# Altium PCB BEAGLEPLAYV020_220915.brd.PcbDoc (part 4 of 12) (continued)
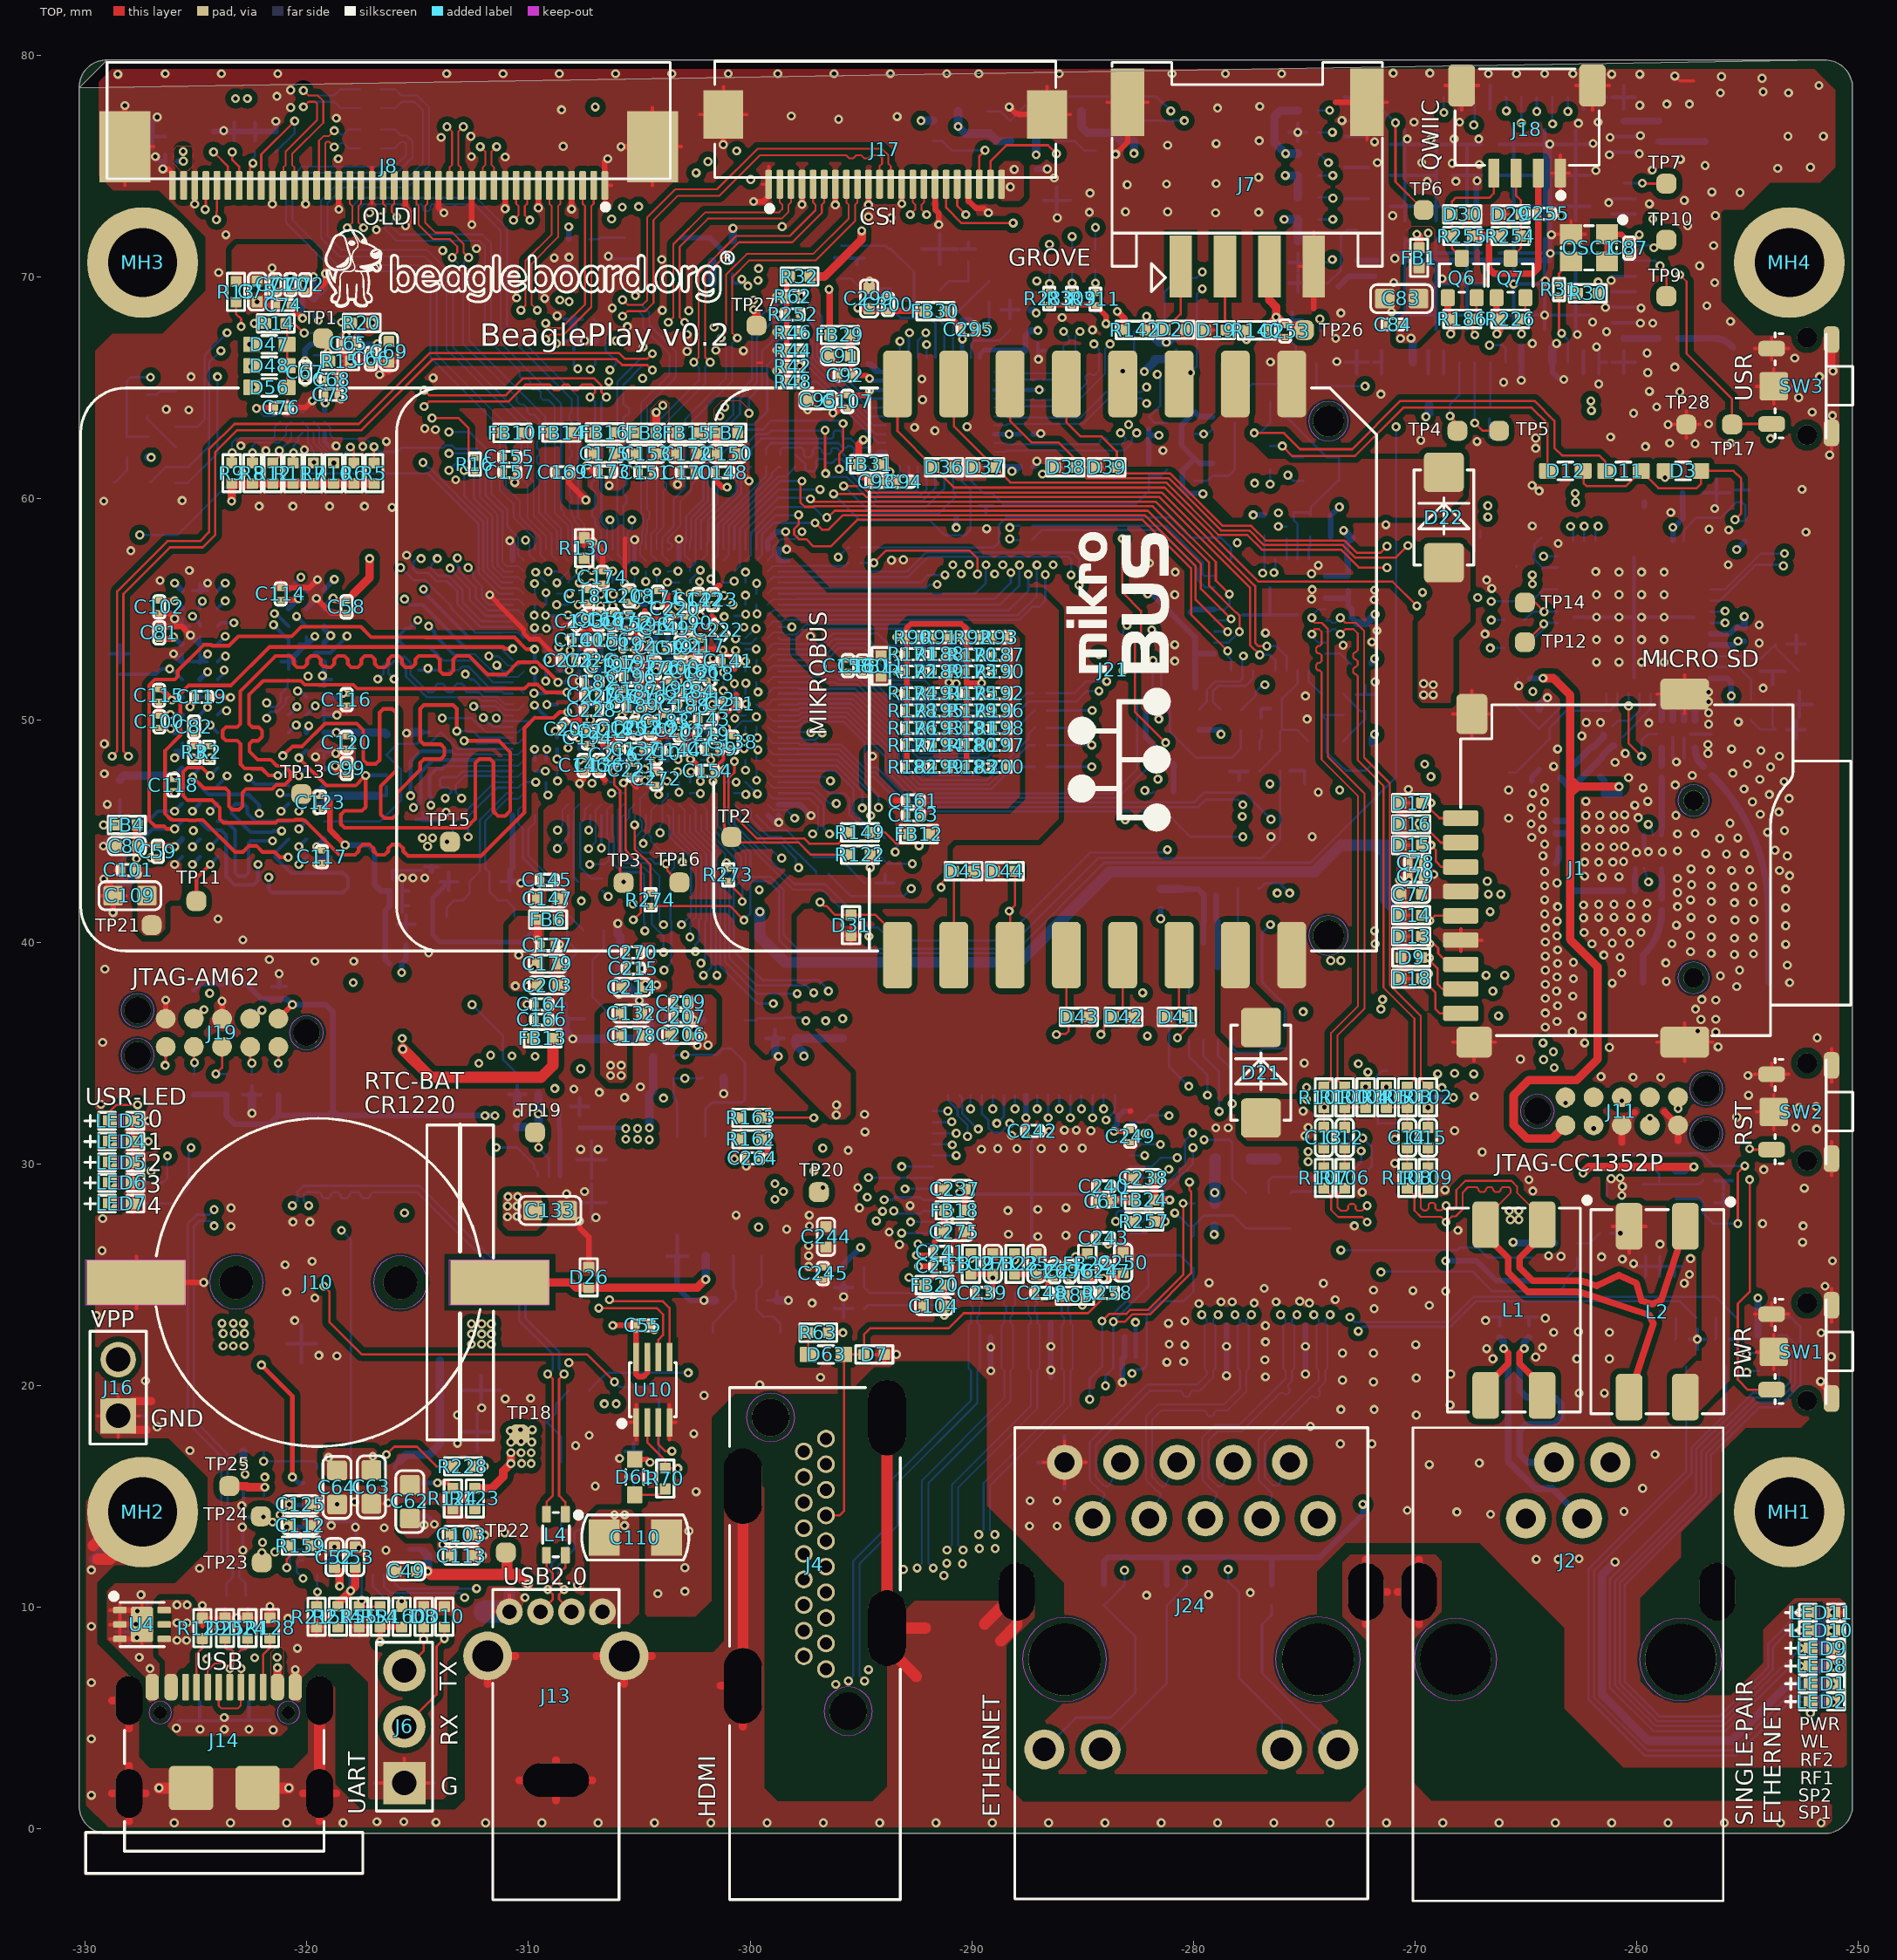
[diagram p0: TOP view]
## Nets (pads, with @x,y where several pads share a name; then routed paths per layer and width w, separated by ;. In a path a pad name is that pad's centre, name@x,y a point inside that pad or via, vN(x,y) a via of type N, cw(c..) or ccw(c..) an arc to the next point about the centre after c; other vN are vias at no path point) (continued)
  BOTTOM w0.102: -314.078,52.934 -313.848,52.705 -312.572,52.705 -311.587,51.719 U1.N1@-310.711,51.719
  BOTTOM w0.168: v3(-325.161,45.911) U2.N8@-324.819,46.252 ; v3(-314.992,54.524) -315.258,54.258 -315.274,54.258 -315.379,54.153 -315.519,54.153 -315.798,53.873 -315.798,53.541 -315.572,53.315 -314.459,53.315 -314.078,52.934
DDR_BG0: U1.T4 U2.M2 | length 28.7
  LAY6 w0.152: v3(-321.208,46.727) -321.469,46.987 -321.691,46.987 -321.843,47.14 -321.843,47.748 -322.304,48.209 -322.34,48.209 -323.139,49.008 -323.139,49.849 -322.675,50.313 -322.675,51.146 -321.395,52.426 -320.635,52.426 -320.483,52.578 -317.726,52.578 -317.612,52.464 -317.612,52.426 -317.459,52.273 -317.154,52.273 -317.002,52.426 -317.002,53.34 -316.85,53.492 -316.661,53.492 -316.387,53.219 -316.387,52.405 -316.255,52.273 -315.961,52.273 -315.122,53.111 -313.614,53.111 ; -310.921,53.899 -310.584,53.561 -310.574,53.561 -309.894,52.882 -309.305,52.882 v3(-309.168,52.745)
  LAY6 w0.168: -313.614,53.111 -313.207,53.518 -313.207,55.128 -313.014,55.321 -312.649,55.321 -312.471,55.143 -312.471,54.127 -312.318,53.975 -311.953,53.975 -311.785,54.143 -311.785,54.565 -311.617,54.733 -311.323,54.733 -310.921,54.331 -310.921,53.899
  BOTTOM w0.168: v3(-321.208,46.727) -321.116,46.634 -320.436,46.634 U2.M2@-320.019,47.052 ; U1.T4@-309.211,53.22 -309.211,52.788 v3(-309.168,52.745)
DDR_CKE: R82.1 U1.H2 U2.K2 | length 29
  TOP w0.168: v5(-320.36,48.311) -319.115,47.066 -317.793,47.066 -317.608,47.251 -317.608,47.263 v5(-317.348,47.523) -317.348,46.091 -317.515,45.923 -318.298,45.923 -318.465,45.756 -318.465,45.329 -318.298,45.161 -312.801,45.161 -312.395,45.568 -312.395,48.082 -312.217,48.26 -311.734,48.26 -311.582,48.108 -311.582,45.898 -311.379,45.695 -311.048,45.695 -310.82,45.923 -310.82,48.565 -311.339,49.084 v5(-312.903,49.084)
  BOTTOM w0.081: -311.868,48.971 -310.46,48.971 U1.H2@-310.211,49.22
  BOTTOM w0.102: v5(-312.903,49.084) -312.427,49.084 -312.313,48.971 -311.868,48.971
  BOTTOM w0.168: v5(-320.36,48.311) U2.K2@-320.019,48.652 ; v5(-317.348,47.523) -317.337,47.534 R82.1@-316.412,47.534
DDR_CLKN: R3.1 U1.L2 U2.K8 | length 27.4
  LYR3 w0.109: v1(-325.161,48.311) -324.871,48.601 -324.871,48.755 -324.98,48.865 -326.672,48.865 -327.576,49.769 -327.576,51.984 -327.267,52.294 -326.667,52.294 -326.338,51.965 -325.744,51.965 -325.41,51.631 -321.325,51.631 -320.348,52.608 -316.562,52.608 -316.319,52.365 -316.319,52.125 v1(-316.061,51.867)
  BOTTOM w0.081: -312.138,50.894 -311.478,50.894 -311.054,50.471 -310.64,50.471 -310.637,50.468 -310.462,50.468 U1.L2@-310.211,50.719
  BOTTOM w0.102: -312.298,51.054 -312.138,50.894
  BOTTOM w0.109: v1(-316.061,51.867) -316.324,52.13 -316.324,52.415 -316.066,52.672 -315.682,52.672 -315.526,52.516 -315.526,51.983 -314.598,51.054 -312.298,51.054
  BOTTOM w0.168: v1(-325.161,48.311) U2.K8@-324.819,48.652
DDR_CLKP: R2.1 U1.L1 U2.K7 | length 27.4
  LYR3 w0.109: v1(-324.361,48.311) -324.65,48.601 -324.65,48.847 -324.889,49.085 -326.58,49.085 -327.355,49.86 -327.355,51.892 -327.175,52.073 -326.759,52.073 -326.43,51.744 -325.836,51.744 -325.502,51.41 -321.234,51.41 -320.256,52.387 -318.84,52.387 ; -318.837,52.387 -316.654,52.387 -316.54,52.273 -316.54,52.125 v1(-316.798,51.867)
  BOTTOM w0.081: -311.963,51.072 -311.404,51.072 -311.052,50.719 U1.L1@-310.711,50.719
  BOTTOM w0.102: -312.228,51.283 -312.018,51.072 -311.963,51.072
  BOTTOM w0.109: v1(-316.798,51.867) -316.535,52.13 -316.535,52.502 -316.154,52.883 -315.595,52.883 -315.316,52.603 -315.316,52.07 -314.528,51.283 -314.311,51.283 -314.202,51.392 -314.202,51.554 -314.092,51.664 -313.874,51.664 -313.765,51.554 -313.765,51.392 -313.655,51.283 -313.437,51.283 -313.328,51.392 -313.328,51.554 -313.219,51.664 -313,51.664 -312.891,51.554 -312.891,51.392 -312.782,51.283 -312.228,51.283
  BOTTOM w0.168: v1(-324.361,48.311) U2.K7@-324.019,48.652
DDR_CSN: U1.L6 U2.L7 | length 28.2
  TOP w0.168: v5(-324.361,47.511) -324.729,47.879 -325.378,47.879 -325.575,47.683 -325.575,47.636 -325.577,47.633 -325.577,46.606 -325.377,46.406 -324.271,46.406 -324.19,46.325 -324.189,46.325 -323.947,46.082 -323.947,46.081 -323.926,46.061 -323.926,45.557 -323.759,45.39 -321.402,45.39 -321.3,45.491 -320.565,45.491 -320.532,45.525 -320.188,45.525 -320.155,45.491 -320.091,45.491 -318.541,43.942 -317.83,43.942 -317.663,44.11 -317.663,44.232 -317.495,44.399 -317.16,44.399 -316.992,44.232 -316.992,44.11 -316.824,43.942 -316.489,43.942 -316.321,44.11 -316.321,44.232 -316.154,44.399 -315.819,44.399 -315.651,44.232 -315.651,44.11 -315.432,43.891 -312.14,43.891 -310.185,45.847 -310.185,49.657 -309.728,50.114 -308.864,50.114 -308.592,50.386 v5(-308.229,50.386)
  BOTTOM w0.168: v5(-324.361,47.511) U2.L7@-324.019,47.852 ; v5(-308.229,50.386) -308.211,50.404 U1.L6@-308.211,50.719
DDR_DQ0: U1.F4 U2.G2 | length 18.6
  LYR3 w0.152: v1(-320.415,51.328) -320.155,51.588 -319.179,51.588 -318.748,52.019 -318.686,52.019 ; -318.685,52.02 -317.663,52.02 ; -317.663,52.019 -317.525,52.019 -317.196,51.69 -317.196,51.181 -317.044,51.029 -314.261,51.029 -314.031,50.798 -313.794,50.798 -313.631,50.961 -313.394,50.961 -313.157,50.724 -313.157,50.487 -313.319,50.324 -313.319,50.087 -313.082,49.85 -312.845,49.85 -312.682,50.013 -312.445,50.013 -312.208,49.776 -312.208,49.538 -312.517,49.23 -312.517,48.992 -311.624,48.099 -311.361,48.099 -311.18,48.281 -311.18,48.518 -311.704,49.043 -311.704,49.331 -311.446,49.589 -311.209,49.589 -310.692,49.072 -309.574,49.072 -309.567,49.064 -309.529,49.064 v1(-309.168,48.703)
  BOTTOM w0.168: v1(-320.415,51.328) -320.294,51.328 U2.G2@-320.019,51.053 ; U1.F4@-309.211,48.219 -309.211,48.661 v1(-309.168,48.703)
DDR_DQ1: U1.H6 U2.F7 | length 18.6
  LYR3 w0.152: v1(-323.725,52.27) -323.349,52.27 -323.276,52.197 -321.278,52.197 -320.5,52.975 -316.273,52.975 -314.744,51.445 -313.294,51.445 -312.826,50.978 -312.331,50.978 -312.323,50.97 -312.26,50.97 -311.734,50.444 -311.315,50.444 -310.299,49.428 -309.27,49.428 -308.603,48.761 v1(-308.211,48.761)
  BOTTOM w0.168: U2.F7@-324.019,51.853 -323.725,52.147 v1(-323.725,52.27) ; v1(-308.211,48.761) U1.H6@-308.211,49.22
DDR_DQ2: U1.F3 U2.H3 | length 18.7
  LYR3 w0.152: v1(-320.448,50.624) -319.941,51.13 -318.916,51.13 -318.748,51.298 -318.748,51.396 -318.521,51.624 -317.828,51.624 -317.652,51.448 -317.652,50.85 -317.425,50.622 -315.022,50.622 -311.506,47.105 -311.506,45.567 -311.377,45.438 -311.14,45.438 -310.972,45.606 -310.972,46.736 -310.49,47.219 -310.49,48.361 -310.147,48.703 v1(-309.727,48.703)
  BOTTOM w0.168: U2.H3@-320.819,50.253 v1(-320.448,50.624) ; v1(-309.727,48.703) -309.711,48.688 U1.F3@-309.711,48.219
DDR_DQ3: U1.G2 U2.H7 | length 19.1
  LYR3 w0.152: v1(-323.621,50.444) -323.154,49.977 -322.917,49.977 -322.811,50.082 -322.574,50.082 -322.337,49.845 -322.337,49.608 -322.537,49.408 -322.537,49.171 -322.3,48.934 -322.063,48.934 -321.862,49.134 -321.625,49.134 -321.388,48.897 -321.388,48.66 -321.589,48.459 -321.589,48.222 -321.289,47.922 -319.347,47.922 -318.973,47.549 -317.923,47.549 -317.509,47.135 -316.847,47.135 -316.713,47.269 -315.984,47.269 v1(-315.316,46.601)
  BOTTOM w0.081: -311.698,48.471 -310.46,48.471 U1.G2@-310.211,48.719
  BOTTOM w0.102: -313.469,48.616 -313.324,48.471 -311.698,48.471
  BOTTOM w0.168: U2.H7@-324.019,50.253 -323.827,50.444 v1(-323.621,50.444) ; v1(-315.316,46.601) -315.316,48.151 -314.851,48.616 -313.469,48.616
DDR_DQ4: U1.G5 U2.H2 | length 18.6
  LYR3 w0.152: v1(-319.616,50.655) -318.092,50.655 -317.662,50.226 -317.568,50.226 -317.557,50.216 -315.176,50.216 -311.912,46.951 -311.912,44.907 -311.734,44.729 -310.769,44.729 -310.591,44.907 -310.591,46.202 -310.065,46.729 -310.065,47.999 -309.803,48.261 v1(-308.711,48.261)
  BOTTOM w0.168: U2.H2@-320.019,50.253 v1(-319.616,50.655) ; v1(-308.711,48.261) U1.G5@-308.711,48.719
DDR_DQ5: U1.F1 U2.H8 | length 19
  LYR3 w0.152: v1(-324.478,50.594) -324.217,50.333 -324.217,50.211 -323.93,49.924 -323.851,49.924 -322.924,48.997 -322.924,48.477 -321.564,47.117 -318.922,47.117 -317.881,46.076 -317.61,46.076 -317.443,46.243 -317.443,46.518 -317.275,46.685 -316.94,46.685 -316.772,46.518 -316.772,46.243 -316.605,46.076 v1(-315.189,46.076)
  BOTTOM w0.102: -312.361,48.219 U1.F1@-310.711,48.219
  BOTTOM w0.168: U2.H8@-324.819,50.253 v1(-324.478,50.594) ; v1(-315.189,46.076) -315.13,46.076 -314.858,46.347 -314.858,47.668 -314.307,48.219 -312.361,48.219
DDR_DQ6: U1.E3 U2.J3 | length 18.6
  LYR3 w0.152: v1(-320.477,49.794) -320.106,50.165 -319.71,50.165 -319.391,49.846 -318.505,49.846 -318.478,49.819 -315.341,49.819 -312.268,46.746 -312.268,44.704 -311.861,44.298 -310.642,44.298 -310.185,44.755 -310.185,46.177 -309.238,47.124 v1(-309.238,47.719)
  BOTTOM w0.168: U2.J3@-320.819,49.453 v1(-320.477,49.794) ; U1.E3@-309.711,47.719 v1(-309.238,47.719)
DDR_DQ7: U1.F2 U2.J7 | length 19
  LYR3 w0.152: v1(-324.361,49.794) -324.095,49.528 ; -324.094,49.528 -323.926,49.36 -323.926,48.742 -323.207,48.024 -323.207,47.439 -322.072,46.304 -319.051,46.304 -318.391,45.644 -314.935,45.644 v1(-314.401,46.177)
  BOTTOM w0.081: -312.649,47.948 -310.835,47.948 -310.814,47.968 -310.608,47.968 -310.587,47.948 -310.483,47.948 U1.F2@-310.211,48.219
  BOTTOM w0.102: -313.782,47.948 -312.649,47.948
  BOTTOM w0.168: v1(-324.361,49.794) U2.J7@-324.019,49.453 ; v1(-314.401,46.177) -314.401,46.553 -314.462,46.614 -314.462,47.504 -314.143,47.823 -313.907,47.823 -313.782,47.948
DDR_DQ8: U1.U1 U2.A3 | length 20
  LYR3 w0.152: v1(-320.264,56.464) -320.264,56.033 -320.035,55.804 -319.818,55.804 -319.726,55.895 -319.404,55.895 -319.312,55.804 -319.077,55.804 -318.976,55.905 -318.654,55.905 -318.222,55.474 -316.296,55.474 -316.128,55.641 -316.128,55.754 -315.961,55.922 -315.485,55.922 -314.985,55.423 -314.427,55.423 -313.436,54.432 -311.826,54.432 -311.658,54.6 -311.658,54.95 -311.876,55.169 -313.283,55.169 -314.036,55.922 v1(-314.74,55.922)
  BOTTOM w0.102: -312.647,53.719 U1.U1@-310.711,53.719
  BOTTOM w0.168: U2.A3@-320.819,55.853 -320.819,55.909 v1(-320.264,56.464) ; v1(-314.74,55.922) -314.74,55.813 -312.647,53.719
DDR_DQ9: U1.W2 U2.B8 | length 20
  LYR3 w0.152: v1(-324.712,55.383) -324.712,54.963 -324.588,54.839 -324.197,54.839 -324.079,54.957 -324.079,56.583 -322.085,58.576 -314.456,58.576 v1(-313.207,57.328)
  BOTTOM w0.081: -311.008,54.968 -310.46,54.968 U1.W2@-310.211,54.719
  BOTTOM w0.102: v1(-313.207,57.328) -313.207,56.998 -313.106,56.896 -313.106,56.718 -312.369,55.982 -312.369,55.499 -311.839,54.968 -311.008,54.968
  BOTTOM w0.168: U2.B8@-324.819,55.053 -324.819,55.276 v1(-324.712,55.383)
DDR_DQ10: U1.W1 U2.C3 | length 20.1
  LYR3 w0.152: v1(-321.46,54.822) -321.46,55.19 -320.777,55.873 -320.777,56.566 -320.497,56.845 -318.465,56.845 -318.12,56.5 -313.98,56.5 -313.284,55.804 -312.191,55.804 -311.404,56.591 -311.404,56.828 -311.624,57.048 -311.861,57.048 -312.522,56.388 -313.055,56.388 v1(-313.538,56.871)
  BOTTOM w0.102: v1(-313.538,56.871) -313.304,56.637 -313.304,56.586 -312.649,55.931 -312.649,55.448 -311.92,54.719 U1.W1@-310.711,54.719
  BOTTOM w0.168: v1(-321.46,54.822) -321.387,54.822 U2.C3@-320.819,54.253
DDR_DQ11: U1.V5 U2.C7 | length 19.6
  LYR3 w0.152: v1(-323.291,54.407) -323.291,53.965 -323.124,53.797 -320.18,53.797 -319.779,54.198 -319.383,54.198 -319.352,54.229 -315.843,54.229 -314.787,53.173 -312.938,53.173 -311.658,51.892 -310.947,51.892 -310.437,51.382 -310.2,51.382 -310.032,51.55 -310.032,52.062 -310.093,52.123 -310.093,52.403 -309.622,52.874 -309.587,52.874 -309.389,53.072 -309.389,53.352 -309.451,53.414 -309.451,53.896 v1(-309.194,54.153)
  BOTTOM w0.168: U2.C7@-324.019,54.253 -323.865,54.407 v1(-323.291,54.407) ; v1(-309.194,54.153) -309.128,54.219 U1.V5@-308.711,54.219
DDR_DQ12: U1.V6 U2.C2 | length 19.6
  LYR3 w0.152: v1(-320.462,54.696) -320.132,55.027 -314.725,55.027 -313.674,53.975 -311.617,53.975 -311.252,54.341 -311.252,56.16 -310.681,56.73 -310.681,57.537 -310.513,57.705 -310.276,57.705 -310.109,57.537 -310.109,56.083 -310.065,56.039 -310.065,56.037 -309.867,55.839 -309.864,55.839 -309.345,55.319 -309.107,55.319 -308.869,55.557 -308.589,55.557 -308.211,55.179 v1(-308.211,54.762)
  BOTTOM w0.168: v1(-320.462,54.696) U2.C2@-320.019,54.253 ; U1.V6@-308.211,54.219 v1(-308.211,54.762)
DDR_DQ13: U1.Y1 U2.C8 | length 19.9
  LYR3 w0.152: v1(-325.152,54.703) -325.152,56.07 -322.25,58.972 -314.291,58.972 -313.675,58.356 -313.675,58.329 -312.725,57.379 v1(-312.725,56.896)
  BOTTOM w0.102: v1(-312.725,56.896) -312.491,56.662 -312.491,56.449 -312.095,56.052 -312.095,55.555 -312.082,55.542 -312.082,55.525 -311.776,55.22 U1.Y1@-310.711,55.22
  BOTTOM w0.168: v1(-325.152,54.703) -324.819,54.371 U2.C8@-324.819,54.253
DDR_DQ14: U1.U3 U2.D3 | length 19.7
  LYR3 w0.152: v1(-321.5,54.315) -320.888,54.315 -320.766,54.193 -320.345,54.193 -319.944,54.595 -319.547,54.595 -319.517,54.625 -315.679,54.625 -314.648,53.594 -311.259,53.594 -311.092,53.426 -311.092,52.698 -310.924,52.53 -310.613,52.53 -310.342,52.801 -310.342,53.853 -310.757,54.268 -310.757,55.598 -310.59,55.766 -310.352,55.766 -310.185,55.598 -310.185,54.643 v1(-309.727,54.185)
  BOTTOM w0.168: v1(-321.5,54.315) -320.819,53.634 U2.D3@-320.819,53.453 ; v1(-309.727,54.185) -309.711,54.169 U1.U3@-309.711,53.719
DDR_DQ15: U1.U2 U2.D7 | length 20.3
  LYR3 w0.152: v1(-323.678,53.794) -324.691,53.794 -324.858,53.962 -324.858,54.265 -324.691,54.432 -323.848,54.432 -323.295,54.986 -323.057,54.986 -322.76,54.688 -322.223,54.688 -321.856,55.055 -321.856,55.354 -321.208,56.002 -321.208,56.695 -320.651,57.252 -317.83,57.252 -317.475,56.896 v1(-315.773,56.896)
  BOTTOM w0.081: -311.201,53.968 -310.46,53.968
  BOTTOM w0.102: v1(-315.773,56.896) -315.53,56.653 -315.495,56.653 -315.163,56.322 -314.655,56.322 -313.487,55.154 -313.487,55.05 -312.405,53.968 -311.201,53.968 ; -310.46,53.968 U1.U2@-310.211,53.719
  BOTTOM w0.168: U2.D7@-324.019,53.453 v1(-323.678,53.794)
DDR_LDM: U1.H5 U2.E7 | length 18.7
  LYR3 w0.152: v1(-323.672,52.898) -323.444,53.126 -323.037,53.126 -322.936,53.024 -322.936,52.822 -322.768,52.654 -322.409,52.654 -322.287,52.775 -322.287,53.231 -322.12,53.398 -321.81,53.398 -321.642,53.231 -321.642,53.132 -321.475,52.965 -321.237,52.965 -320.804,53.398 -318.276,53.398 -318.25,53.371 -316.109,53.371 -314.579,51.841 -313.082,51.841 -312.574,51.333 -312.115,51.333 -311.531,50.749 -311.023,50.749 -310.083,49.809 -309.075,49.809 v1(-308.788,49.522)
  BOTTOM w0.168: U2.E7@-324.019,52.653 -323.774,52.898 v1(-323.672,52.898) ; v1(-308.788,49.522) -308.711,49.446 U1.H5@-308.711,49.22
DDR_LDQS_N: U1.E2 U2.F3 | length 18.9
  LYR3 w0.109: v1(-321.811,50.794) -321.633,50.616 -321.401,50.616 -321.163,50.378 -321.163,49.764 -320.493,49.094 -318.217,49.094 -317.955,48.833 -317.955,48.514 -317.846,48.405 -317.627,48.405 -317.518,48.514 -317.518,48.809 -317.28,49.047 -316.878,49.047 -316.639,48.809 -316.639,48.514 -316.53,48.405 -316.312,48.405 -316.202,48.514 -316.202,48.833 -315.964,49.071 -315.352,49.071 -313.284,47.003 -313.284,46.757 v1(-313.019,46.493)
  BOTTOM w0.081: -311.419,47.498 -311.406,47.482 -311.277,47.469 -310.462,47.469 U1.E2@-310.211,47.719
  BOTTOM w0.109: v1(-321.811,50.794) -321.622,50.604 -321.414,50.604 -321.178,50.841 -321.178,51.202 -320.867,51.513 -320.867,51.829 -320.843,51.853 U2.F3@-320.819,51.853 ; v1(-313.019,46.493) -313.283,46.756 -313.283,47.092 -312.876,47.498 -311.419,47.498
DDR_LDQS_P: U1.E1 U2.G3 | length 19
  LYR3 w0.109: v1(-321.809,50.097) -321.809,50.22 -321.634,50.395 -321.493,50.395 -321.384,50.286 -321.384,49.672 -320.585,48.873 -318.308,48.873 -318.176,48.741 -318.176,48.422 -317.937,48.184 -317.536,48.184 -317.297,48.422 -317.297,48.717 -317.188,48.826 -316.969,48.826 -316.86,48.717 -316.86,48.422 -316.622,48.184 -316.22,48.184 -315.981,48.422 -315.981,48.741 -315.872,48.85 -315.443,48.85 -313.512,46.919 -313.512,46.738 v1(-313.757,46.493)
  BOTTOM w0.081: -311.404,47.717 -311.399,47.717
  BOTTOM w0.109: v1(-321.809,50.097) -321.809,50.22 -321.635,50.394 -321.327,50.394 -320.967,50.753 -320.967,50.944 -320.858,51.053 U2.G3@-320.819,51.053 ; v1(-313.757,46.493) -313.493,46.756 -313.493,46.844 -313.614,46.965 -313.902,46.965 -313.995,47.057 -313.995,47.352 -313.899,47.447 -313.225,47.447 -312.963,47.709 -311.412,47.709 -311.404,47.717 ; -311.399,47.717 -311.396,47.719 U1.E1@-310.711,47.719
DDR_ODT: U1.H1 U2.K3 | length 28.1
  TOP w0.168: v5(-321.081,48.412) -320.789,48.705 -320.766,48.705 -320.638,48.833 -320.204,48.833 -319.176,49.86 -317.744,49.86 -317.449,49.566 -317.449,48.213 -317.282,48.045 -316.88,48.045 -316.713,48.213 -316.713,50.353 -316.545,50.521 -316.144,50.521 -315.976,50.353 -315.976,47.727 -316.662,47.041 -316.662,45.761 -316.494,45.593 -316.128,45.593 -315.925,45.796 -315.925,46.736 -314.884,47.777 -314.884,48.088 -314.716,48.255 -313.959,48.255 -313.792,48.423 -313.792,48.758 -313.959,48.926 -314.716,48.926 -314.884,49.093 -314.884,50.531 -314.716,50.698 -313.4,50.698 -313.233,50.531 v5(-313.233,49.522)
  BOTTOM w0.102: v5(-313.233,49.522) -312.496,49.522 -312.193,49.22 U1.H1@-310.711,49.22
  BOTTOM w0.168: v5(-321.081,48.412) -320.841,48.652 U2.K3@-320.819,48.652
DDR_PARITY: U1.T1 U2.T3 | length 28.2
  TOP w0.168: v5(-320.841,43.829) -321.21,43.829 -321.449,44.069 -321.998,44.069 -322.277,44.348 -322.607,44.348 -322.887,44.069 -323.24,44.069 -324.688,45.517 -324.969,45.517 -324.989,45.497 -325.332,45.497 -325.352,45.517 -326.06,45.517 -326.085,45.542 -326.136,45.542 -326.39,45.796 -326.39,48.641 -325.704,49.327 -325.704,51.206 -325.322,51.587 -323.412,51.587 -321.684,53.315 -311.15,53.315 -311.067,53.231 v5(-310.711,53.231)
  BOTTOM w0.102: U1.T1@-310.711,53.22 v5(-310.711,53.231)
DDR_RESET#: R84.2 R85.1 U1.G1 U2.P1 | length 12.6
  BOTTOM w0.102: U2.P1@-319.219,45.452 -316.694,45.452 -315.747,46.398 -315.747,47.786 R84.2@-316.412,48.451 -315.917,48.946 -315.034,48.946 -315.001,48.979 -314.446,48.979 R85.1@-313.957,49.468 -313.208,48.719 U1.G1@-310.711,48.719
DDR_TEN: R81.2 R83.1 U2.N9 | length 4
  BOTTOM w0.168: R81.2@-328.433,46.39 R83.1@-328.433,45.486 -327.138,45.486 -326.712,45.911 v5(-325.961,45.911) U2.N9@-325.619,46.252
DDR_UDM: U1.W5 U2.E2 | length 19.8
  LYR3 w0.152: v1(-318.186,53.807) -318.125,53.807 -318.085,53.767 -315.942,53.767 -314.951,52.777 -313.072,52.777 -312.724,52.428 -312.713,52.428 -311.771,51.486 -311.15,51.486 -309.905,50.241 -309.042,50.241 -308.704,50.58 -308.704,51.148 -308.999,51.443 -309.365,51.443 -309.563,51.64 -309.563,51.92 -309.365,52.118 -309.085,52.118 -308.834,52.37 -308.834,52.601 -308.83,52.605 -308.83,52.885 -309.042,53.097 -309.042,53.543 -308.712,53.874 -308.712,54.582 -308.868,54.739 v1(-309.232,54.739)
  BOTTOM w0.168: U2.E2@-320.019,52.653 -319.611,53.06 -318.933,53.06 v1(-318.186,53.807) ; v1(-309.232,54.739) -309.145,54.739 -309.126,54.719 U1.W5@-308.711,54.719
DDR_UDQS_N: U1.V2 U2.A7 | length 20
  LYR3 w0.109: v1(-323.678,56.195) -323.396,55.913 -323.055,55.913 -322.877,56.091 -322.877,56.245 -323.164,56.532 -323.164,56.87 -322.88,57.154 -322.543,57.154 -322.255,56.867 -322.101,56.867 -321.946,57.022 -321.946,57.176 -322.233,57.464 -322.233,57.802 -321.949,58.085 -321.611,58.085 -321.324,57.798 -321.17,57.798 -320.777,58.191 -314.691,58.191 -314.401,57.902 -314.401,57.516 -314.189,57.304 v1(-314.112,57.304)
  BOTTOM w0.081: -311.653,54.481 -311.64,54.468 -310.46,54.468 U1.V2@-310.211,54.219
  BOTTOM w0.102: -312.115,54.483 -311.963,54.483 -311.961,54.481 -311.653,54.481
  BOTTOM w0.109: v1(-314.112,57.304) -314.37,57.046 -314.37,56.84 -314.062,56.532 -313.605,56.532 -312.979,55.905 -312.979,55.347 -312.115,54.483
  BOTTOM w0.168: U2.A7@-324.019,55.853 v1(-323.678,56.195)
DDR_UDQS_P: U1.V1 U2.B7 | length 20.1
  LYR3 w0.109: v1(-323.678,55.395) -323.381,55.692 -322.964,55.692 -322.656,55.999 -322.656,56.336 -322.943,56.624 -322.943,56.778 -322.789,56.933 -322.634,56.933 -322.347,56.646 -322.01,56.646 -321.725,56.931 -321.725,57.268 -322.012,57.555 -322.012,57.71 -321.857,57.865 -321.703,57.865 -321.415,57.577 -321.078,57.577 -320.685,57.97 -314.782,57.97 -314.622,57.81 -314.622,57.531 v1(-314.85,57.304)
  BOTTOM w0.081: -311.58,54.219 U1.V1@-310.711,54.219
  BOTTOM w0.102: -312.182,54.219 -311.58,54.219
  BOTTOM w0.109: v1(-314.85,57.304) -315.035,57.304 -315.189,57.15 -315.189,56.82 -315.025,56.656 -314.517,56.656 -314.147,56.286 -313.665,56.286 -313.207,55.829 -313.207,55.245 -312.182,54.219
  BOTTOM w0.168: U2.B7@-324.019,55.053 v1(-323.678,55.395)
DDR_VPP: C58.1 C59.1 C80.1 FB4.2 U2.B1 U2.R9 | length 31.5
  TOP w0.254: C80.1@-327.652,44.332 -327.61,44.374 C59.1@-326.72,44.374 -326.024,44.374 v5(-325.961,44.311) ; v5(-318.815,55.517) -318.701,55.402 C58.1@-318.203,55.402
  TOP w0.305: C58.1@-318.203,55.402 -318.203,55.406 -317.845,55.763
  TOP w0.381: v3(-327.685,43.764) -327.652,43.798 C80.1@-327.652,44.332 -327.656,44.336 FB4.2@-327.656,45.289 ; -317.845,55.763 -317.17,56.439 v3(-317.17,57.302)
  LAY6 w0.381: v3(-327.685,43.764) -327.685,45.365 -327.152,45.899 -327.152,49.149 -327.889,49.886 -327.889,56.109 -326.695,57.302 v3(-317.17,57.302)
  BOTTOM w0.254: v5(-325.961,44.311) U2.R9@-325.619,44.652 ; U2.B1@-319.219,55.053 -319.219,55.113 v5(-318.815,55.517)
DDR_VREFCA: C121.2 C122.1 C123.1 C124.1 R86.2 R87.1 TP13.1 U2.M1 | length 11.4
  TOP w0.254: TP13.1@-320.243,46.685 -319.586,46.685 v5(-319.56,46.711) -319.444,46.595 C123.1@-319.396,46.595 -319.204,46.595 -318.949,46.341 -318.949,45.061 v5(-318.27,44.381)
  BOTTOM w0.254: v5(-319.56,46.711) U2.M1@-319.219,47.052 ; v5(-318.27,44.381) -317.228,44.381 -316.941,44.094 -316.941,42.601 -316.649,42.309 C124.1@-316.255,42.309 C122.1@-316.255,41.648 -316.451,41.453 R87.1@-316.451,40.814 R86.2@-316.451,39.867 -316.451,39.202 C121.2@-316.281,39.032
DEBUG_RXD: D10.2 J6.2 R70.2 U10.2 | length 24.3
  TOP w0.102: J6.2@-315.597,4.617 -314.147,6.067 -314.147,8.23 v3(-313.792,8.585) D10.2@-313.792,9.111 ; U10.2@-304.639,18.343 -304.639,17.441 -303.831,16.633 R70.2@-303.831,16.266 v3(-303.266,16.266)
  LAY6 w0.097: v3(-313.792,8.585) -313.792,10.643 -312.852,11.582 -306.197,11.582 -304.038,13.741 -304.038,15.672 -303.443,16.266 v3(-303.266,16.266)
DEBUG_TXD: D8.2 J6.3 U10.3 | length 21.1
  TOP w0.102: J6.3@-315.597,7.157 -314.731,8.022 v3(-314.731,8.56) D8.2@-314.731,9.111 ; U10.3@-304.142,18.343 -304.142,17.35 -303.835,17.043 v3(-303.53,17.043)
  LAY6 w0.097: v3(-314.731,8.56) -314.731,10.16 -313.03,11.862 -306.4,11.862 -304.292,13.97 -304.292,15.9 -303.53,16.662 v3(-303.53,17.043)
DIO29_RF_PA: U9.42 U15.3 | length 15.6
  LYR3 w0.097: v1(-259.474,42.718) -258.958,42.718 -256.207,45.469 -256.207,53.52 -255.626,54.102 -255.626,54.544 v1(-256.022,54.94)
  BOTTOM w0.102: U15.3@-259.677,43.334 v1(-259.474,42.718) ; U9.42@-256.677,54.905 -256.092,54.905 -256.057,54.94 v1(-256.022,54.94)
DIO30_RF_SUB1G: U9.43 U15.7 | length 13.2
  LYR3 w0.097: v1(-259.486,45.314) -256.896,45.314 -256.405,45.804 -256.405,54.022 v1(-256.022,54.405)
  BOTTOM w0.102: v1(-259.486,45.314) -259.468,45.295 cw(c-259.928,44.835) U15.7@-259.277,44.835 ; U9.43@-256.677,54.405 v1(-256.022,54.405)
DVDD10: C93.1 C94.1 FB31.2 U6.21 | length 4
  TOP w0.305: FB31.2@-294.181,61.56 -294.046,61.56 v5(-293.7,61.214) v5@-293.7,61.129 ; v5@-293.7,61.129 -293.348,60.777 C94.1@-293.348,60.772 -293.353,60.767 C93.1@-294.002,60.767 -294.002,60.782 -293.7,61.084 v5@-293.7,61.129
  BOTTOM w0.203: U6.21@-293.893,62.117 -294.188,62.117 -294.31,61.995 -294.31,61.62 -293.903,61.214 v5(-293.7,61.214)
DVI_+5V: D6.4 D6.7 F1.2 J4.18 R64.1 R65.1 | length 29.4
  LYR3 w0.381: J4.18@-297.579,17.031 -297.579,18.296 -293.497,22.377 -283.097,22.377 v1(-282.618,22.857)
  LYR3 w0.508: v1(-282.618,22.857) -281.969,22.857 -279.781,25.044 -279.781,27.965 v1(-279.044,28.702)
  BOTTOM w0.203: D6.7@-282.618,21.302 D6.4@-282.618,22.202 v1(-282.618,22.857)
  BOTTOM w0.508: R65.1@-279.03,28.216 -279.03,28.688 v1(-279.044,28.702) -279.029,28.717 R64.1@-279.029,29.181 -279.029,30.202 F1.2@-279.005,30.226
EEP_WP: R209.2 R213.1 U1.J22 U20.5 | length 18.2
  LYR3 w0.097: v1(-300.211,49.234) -299.954,48.977 -299.954,48.552 -299.764,48.362 -299.54,48.362 -298.374,47.196 -298.374,44.958 -297.548,44.133 ; -297.51,44.061 -297.434,43.985 -297.434,42.697 -298.399,41.732 -298.399,39.726 -297.485,38.811 v1(-297.485,36.449)
  LYR3 w0.102: -297.548,44.133 -297.51,44.094 -297.51,44.061
  BOTTOM w0.102: U20.5@-300.24,36.473 -299.745,36.473 -299.636,36.581 R213.1@-298.878,36.581 -298.45,36.581 -298.445,36.586 R209.2@-297.946,36.586 -297.724,36.586 -297.586,36.449 v1(-297.485,36.449) ; v1(-300.211,49.234) U1.J22@-300.211,49.719
EMMC_CLK: R16.1 U1.AB1 | length 6.7
  TOP w0.102: v5(-312.903,61.283) R16.1@-312.42,61.283
  BOTTOM w0.102: v5(-312.903,61.283) -312.903,60.14 -311.861,59.098 -311.861,56.888 -311.192,56.219 U1.AB1@-310.711,56.219
EMMC_CLK_S: R16.2 R20.1 U3.M6 | length 13
  TOP w0.102: v1(-318.44,67.963) -318.411,67.934 R20.1@-317.987,67.934 ; v1(-314.35,63.645) -313.157,63.645 -312.699,63.188 -312.699,62.102 -312.439,61.841 R16.2@-312.42,61.841
  LYR3 w0.097: v1(-318.44,67.963) -318.051,68.351 -316.078,68.351 -313.919,66.192 -313.919,64.077 v1(-314.35,63.645)
  BOTTOM w0.102: U3.M6@-319.193,68.475 -318.681,67.963 v1(-318.44,67.963)
EMMC_CMD: R13.2 U1.Y3 U3.M5 | length 30.1
  TOP w0.102: R13.2@-323.193,68.872 -323.193,68.342 -322.961,68.11 v10(-322.961,67.767)
  LYR3 w0.097: v10(-322.961,67.767) -322.961,68.108 -322.572,68.496 -319.938,68.496 v1(-319.481,68.039)
  LAY6 w0.097: v10(-322.961,67.767) -322.961,64.541 -323.85,63.652 -323.85,61.366 -323.012,60.528 -315.524,60.528 v3(-309.74,54.744)
  BOTTOM w0.102: U3.M5@-319.693,68.475 -319.693,68.174 -319.557,68.039 v1(-319.481,68.039) ; v3(-309.74,54.744) -309.711,54.772 U1.Y3@-309.711,55.22
EMMC_D0: R12.2 U1.AA2 U3.A3 | length 17.3
  TOP w0.102: R12.2@-321.535,61.615 -321.242,61.908 v1(-321.242,62.167)
  LYR3 w0.097: v1(-321.242,62.167) -321.242,61.723 -320.726,61.206 -315.189,61.206 v1(-314.757,61.638)
  BOTTOM w0.081: v1(-321.242,62.167) -321.016,62.393 -321.005,62.393 -320.693,62.706 U3.A3@-320.693,62.975 ; -311.023,55.97 -310.462,55.97 U1.AA2@-310.211,55.719
  BOTTOM w0.102: v1(-314.757,61.638) -314.503,61.384 -314.452,61.384 -312.044,58.976 -312.044,56.766 -311.248,55.97 -311.023,55.97
EMMC_D1: R11.2 U1.AA1 U3.A4 | length 15.5
  TOP w0.102: R11.2@-320.621,61.615 -320.621,62.045 v5(-320.599,62.067)
  BOTTOM w0.102: U3.A4@-320.193,62.975 -320.391,62.778 -320.391,62.606 -320.599,62.397 v5(-320.599,62.067) -320.599,61.737 -320.013,61.151 -314.549,61.151 -312.242,58.844 -312.242,56.634 -311.327,55.719 U1.AA1@-310.711,55.719
EMMC_D2: R10.2 U1.AA3 U3.A5 | length 13.5
  LAY6 w0.097: v3(-318.783,61.613) -315.537,61.613 -310.1,56.177 v3(-309.727,56.177)
  BOTTOM w0.081: U3.A5@-319.693,62.975 -319.693,62.523 v3(-318.783,61.613)
  BOTTOM w0.102: v3(-309.727,56.177) -309.727,56.161 -309.711,56.145 U1.AA3@-309.711,55.719
EMMC_D3: R9.2 U1.Y4 U3.B2 | length 21
  TOP w0.102: R9.2@-323.389,61.615 -323.389,62.048 v3(-323.367,62.07)
  LAY6 w0.097: v3(-323.367,62.07) -323.127,61.829 -322.786,61.829 -322.12,61.163 -315.443,61.163 -310.041,55.762 v3(-309.211,55.762)
  BOTTOM w0.081: v3(-323.367,62.07) -323.367,62.535 -323.176,62.726 -321.59,62.726 -321.578,62.738 -321.531,62.738 -321.442,62.827 -321.442,63.226 U3.B2@-321.193,63.475
  BOTTOM w0.102: U1.Y4@-309.211,55.22 v3(-309.211,55.762)
EMMC_D4: R8.2 U1.AB2 U3.B3 | length 20.6
  TOP w0.102: v1(-322.453,62.07) -322.449,62.066 R8.2@-322.449,61.615
  LYR3 w0.097: v1(-322.453,62.07) -321.361,60.978 -314.477,60.978 -314.173,61.283 v1(-313.588,61.283)
  BOTTOM w0.081: v1(-322.453,62.07) -322.453,62.39 -322.313,62.53 -321.286,62.53 -320.942,62.874 -320.942,63.226 U3.B3@-320.693,63.475 ; -311.633,57.168 -311.633,56.965 -311.136,56.468 -310.46,56.468 U1.AB2@-310.211,56.219
  BOTTOM w0.102: v1(-313.588,61.283) -313.182,61.689 -312.699,61.689 -312.471,61.46 -312.471,60.038 -311.633,59.2 -311.633,57.168